# Altium PCB Final_Fantasy.PcbDoc (part 1 of 3)
Units mm, origin at the board's own origin, x right, y up, seen from the top; angles counter-clockwise.
Board outline 152.4 x 101.6 mm, 4 copper layers (Component Side, Ground Plane, Power Plane, Solder Side), stack 0.651 mm thick; 184 components, 159 nets, 718 pads, 120 vias.
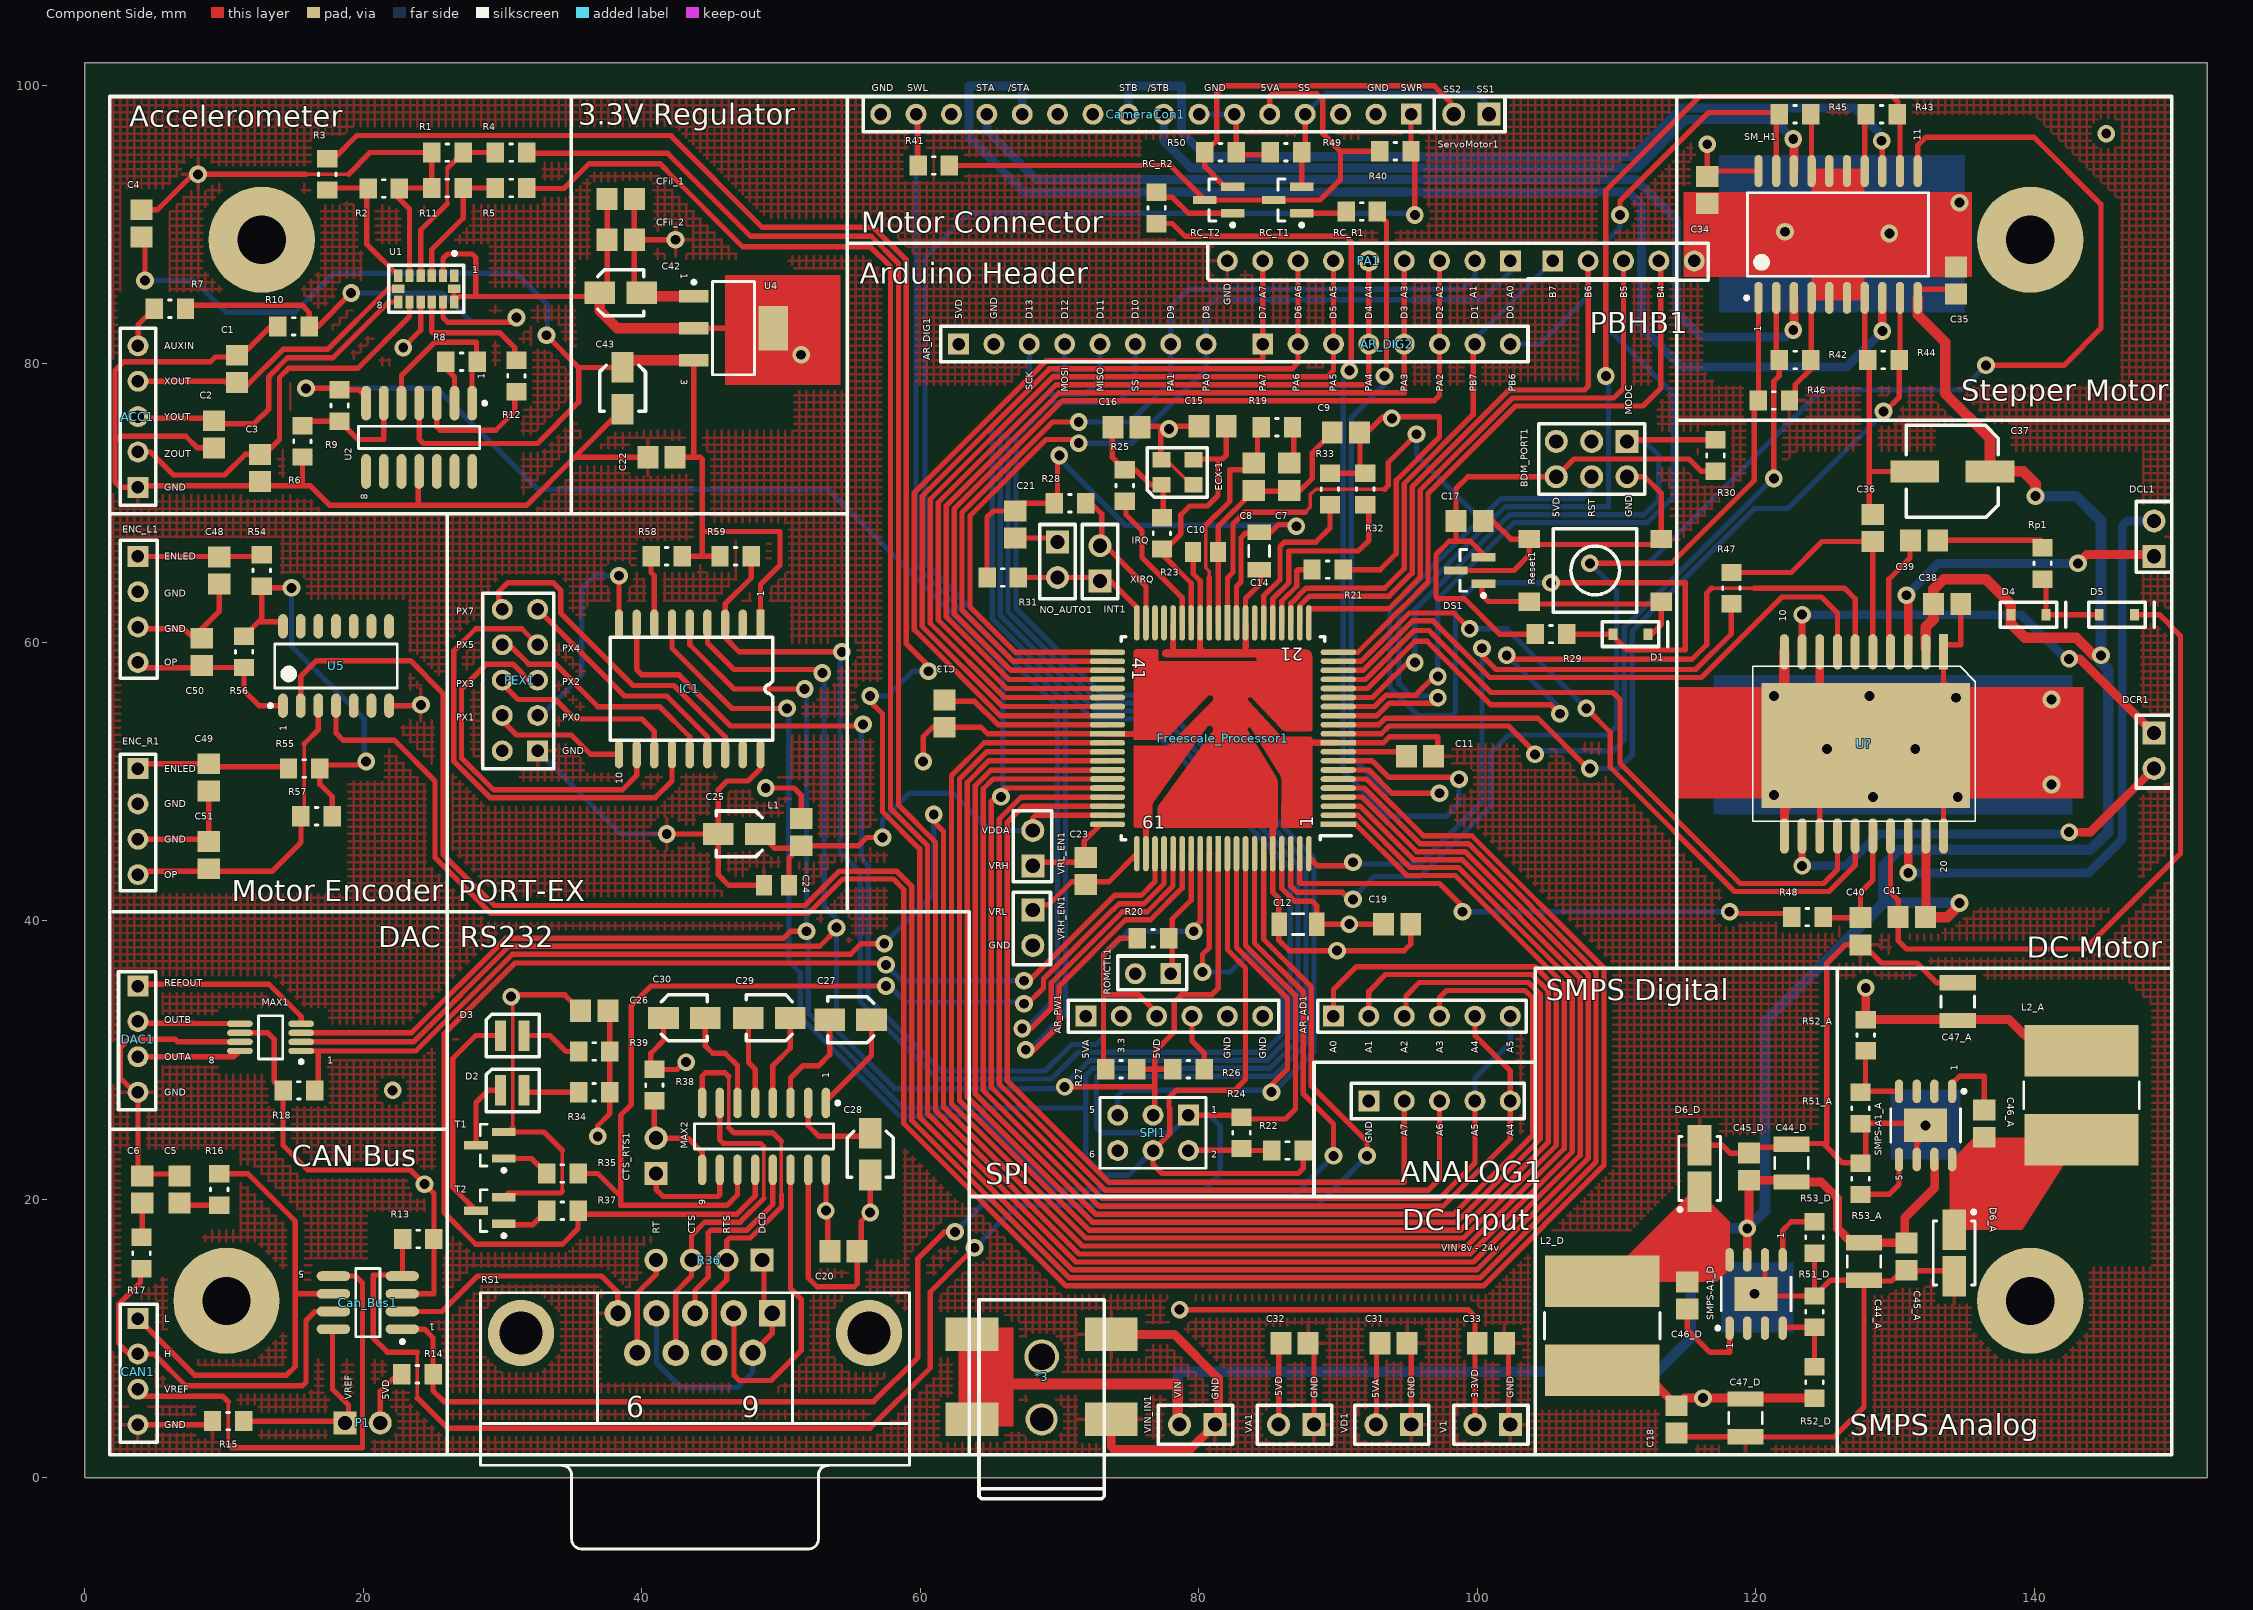
[diagram p0: Component Side view]
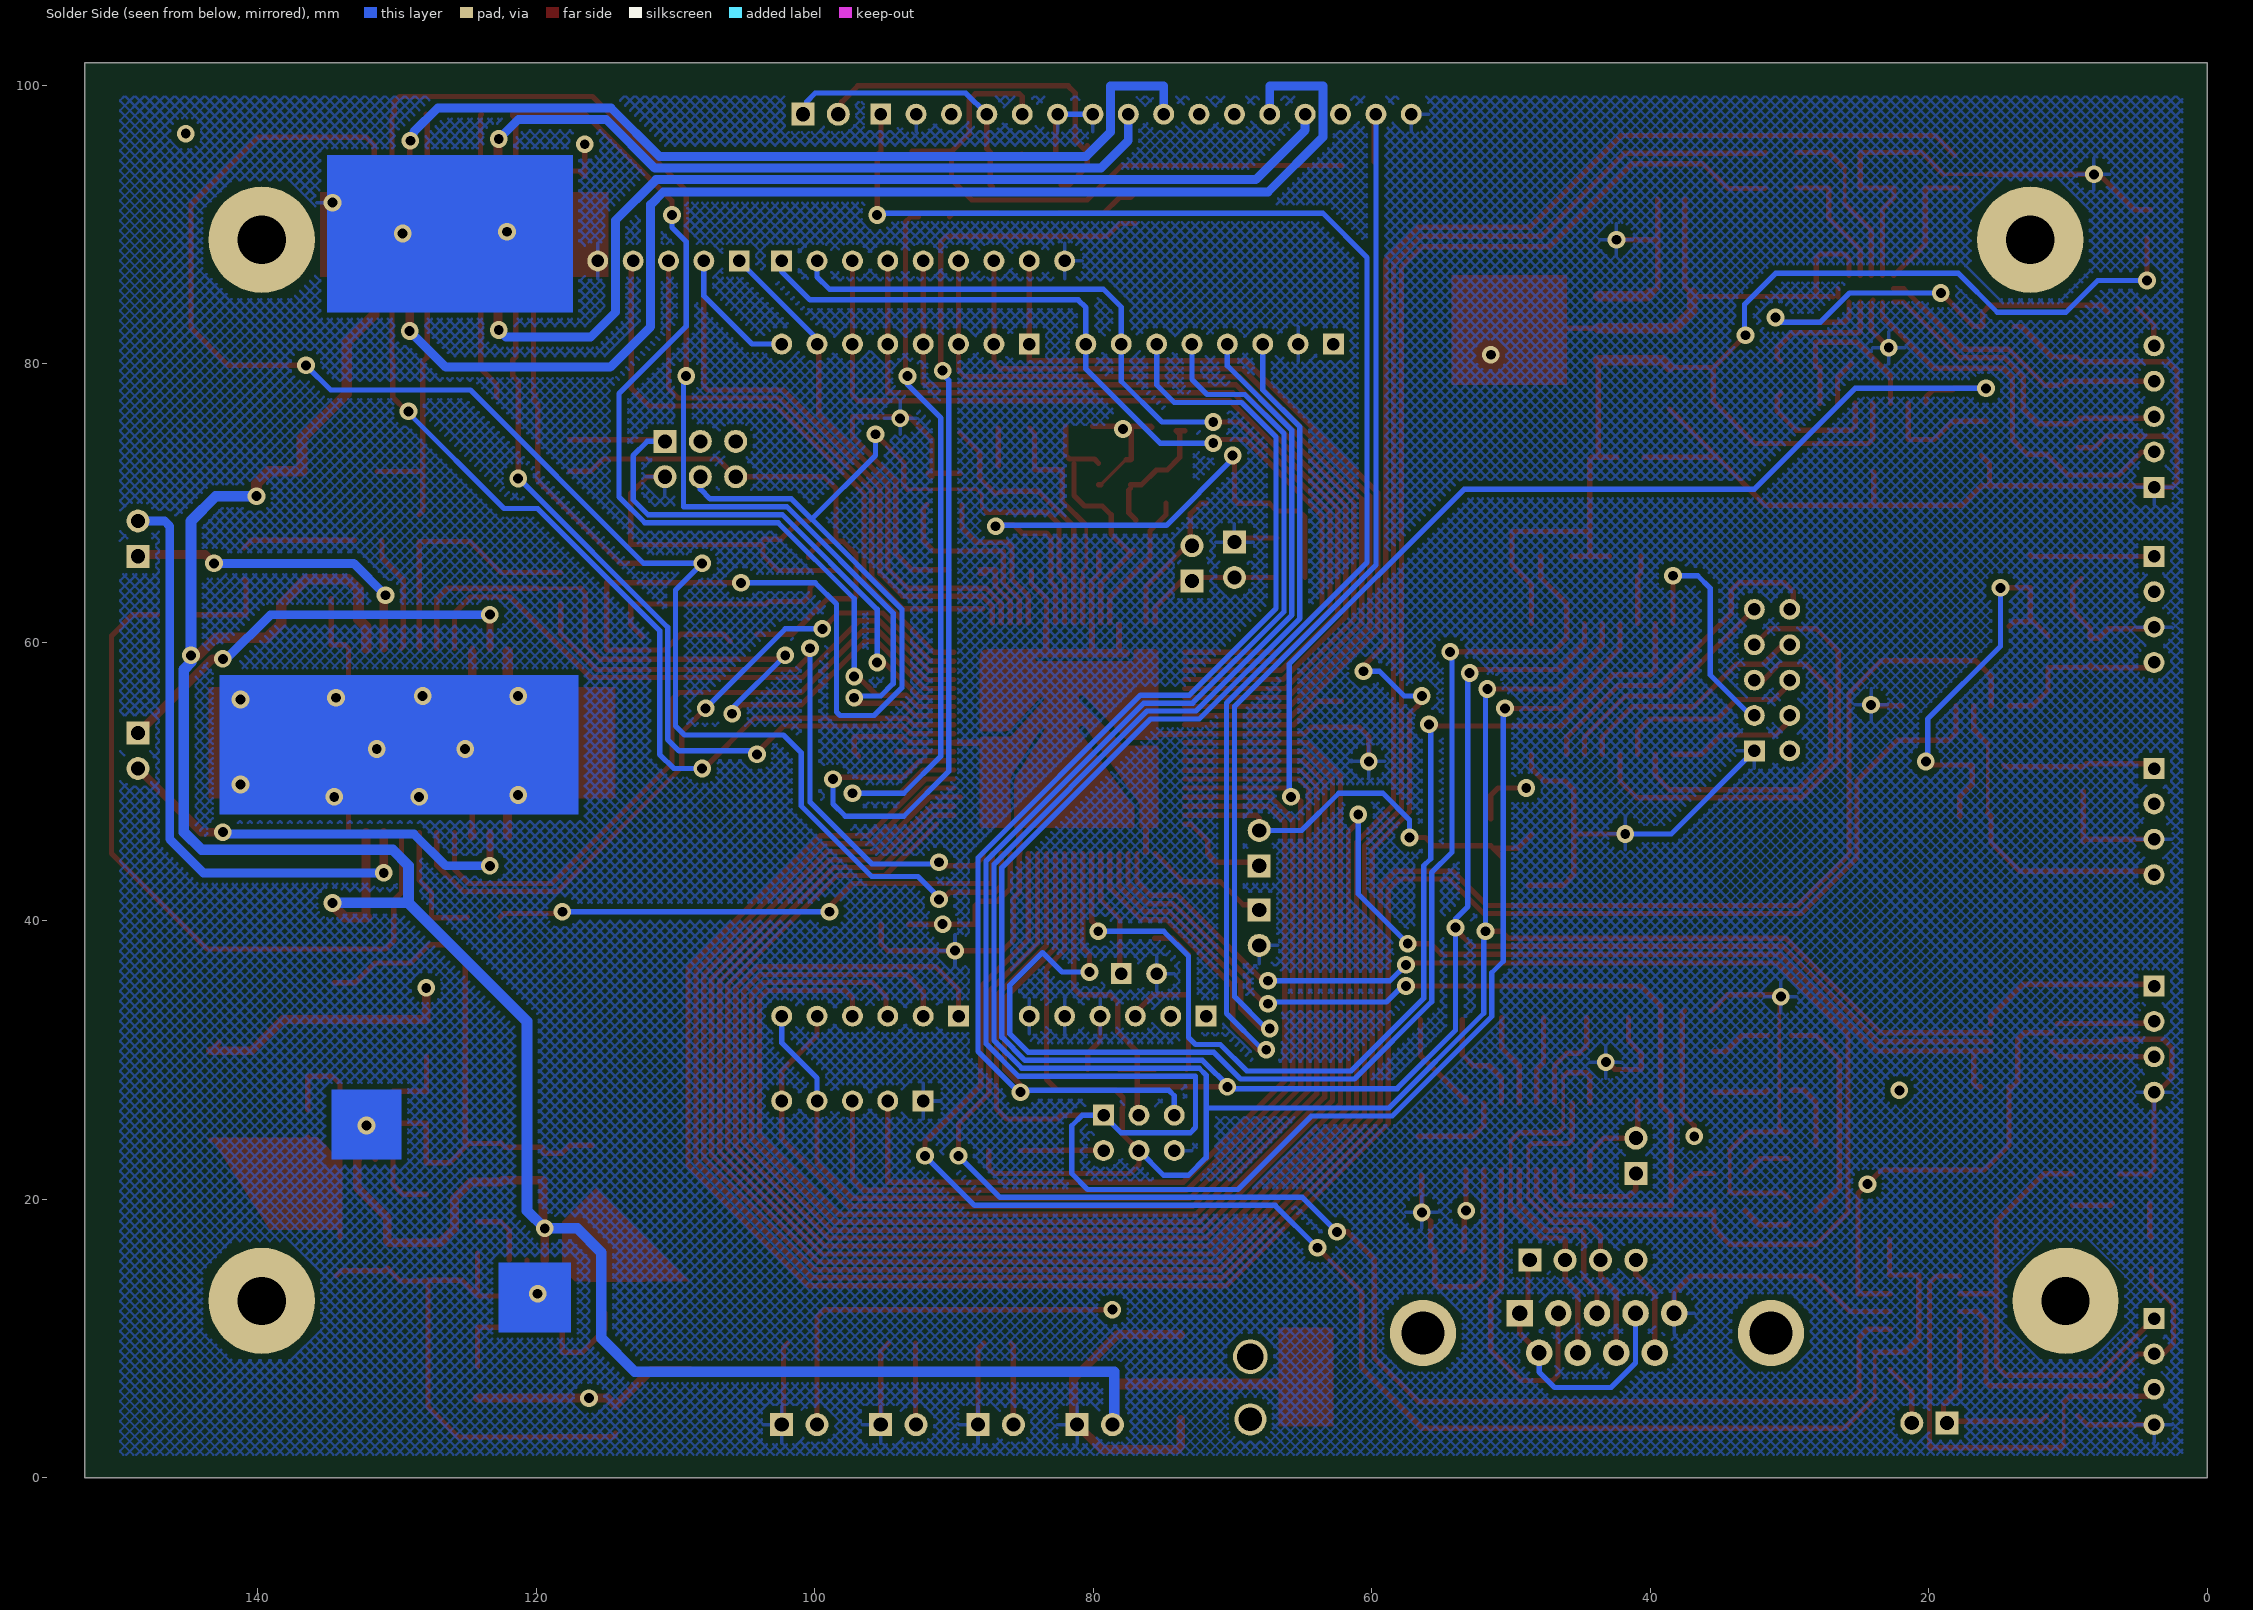
[diagram p1: Solder Side view, seen from below]
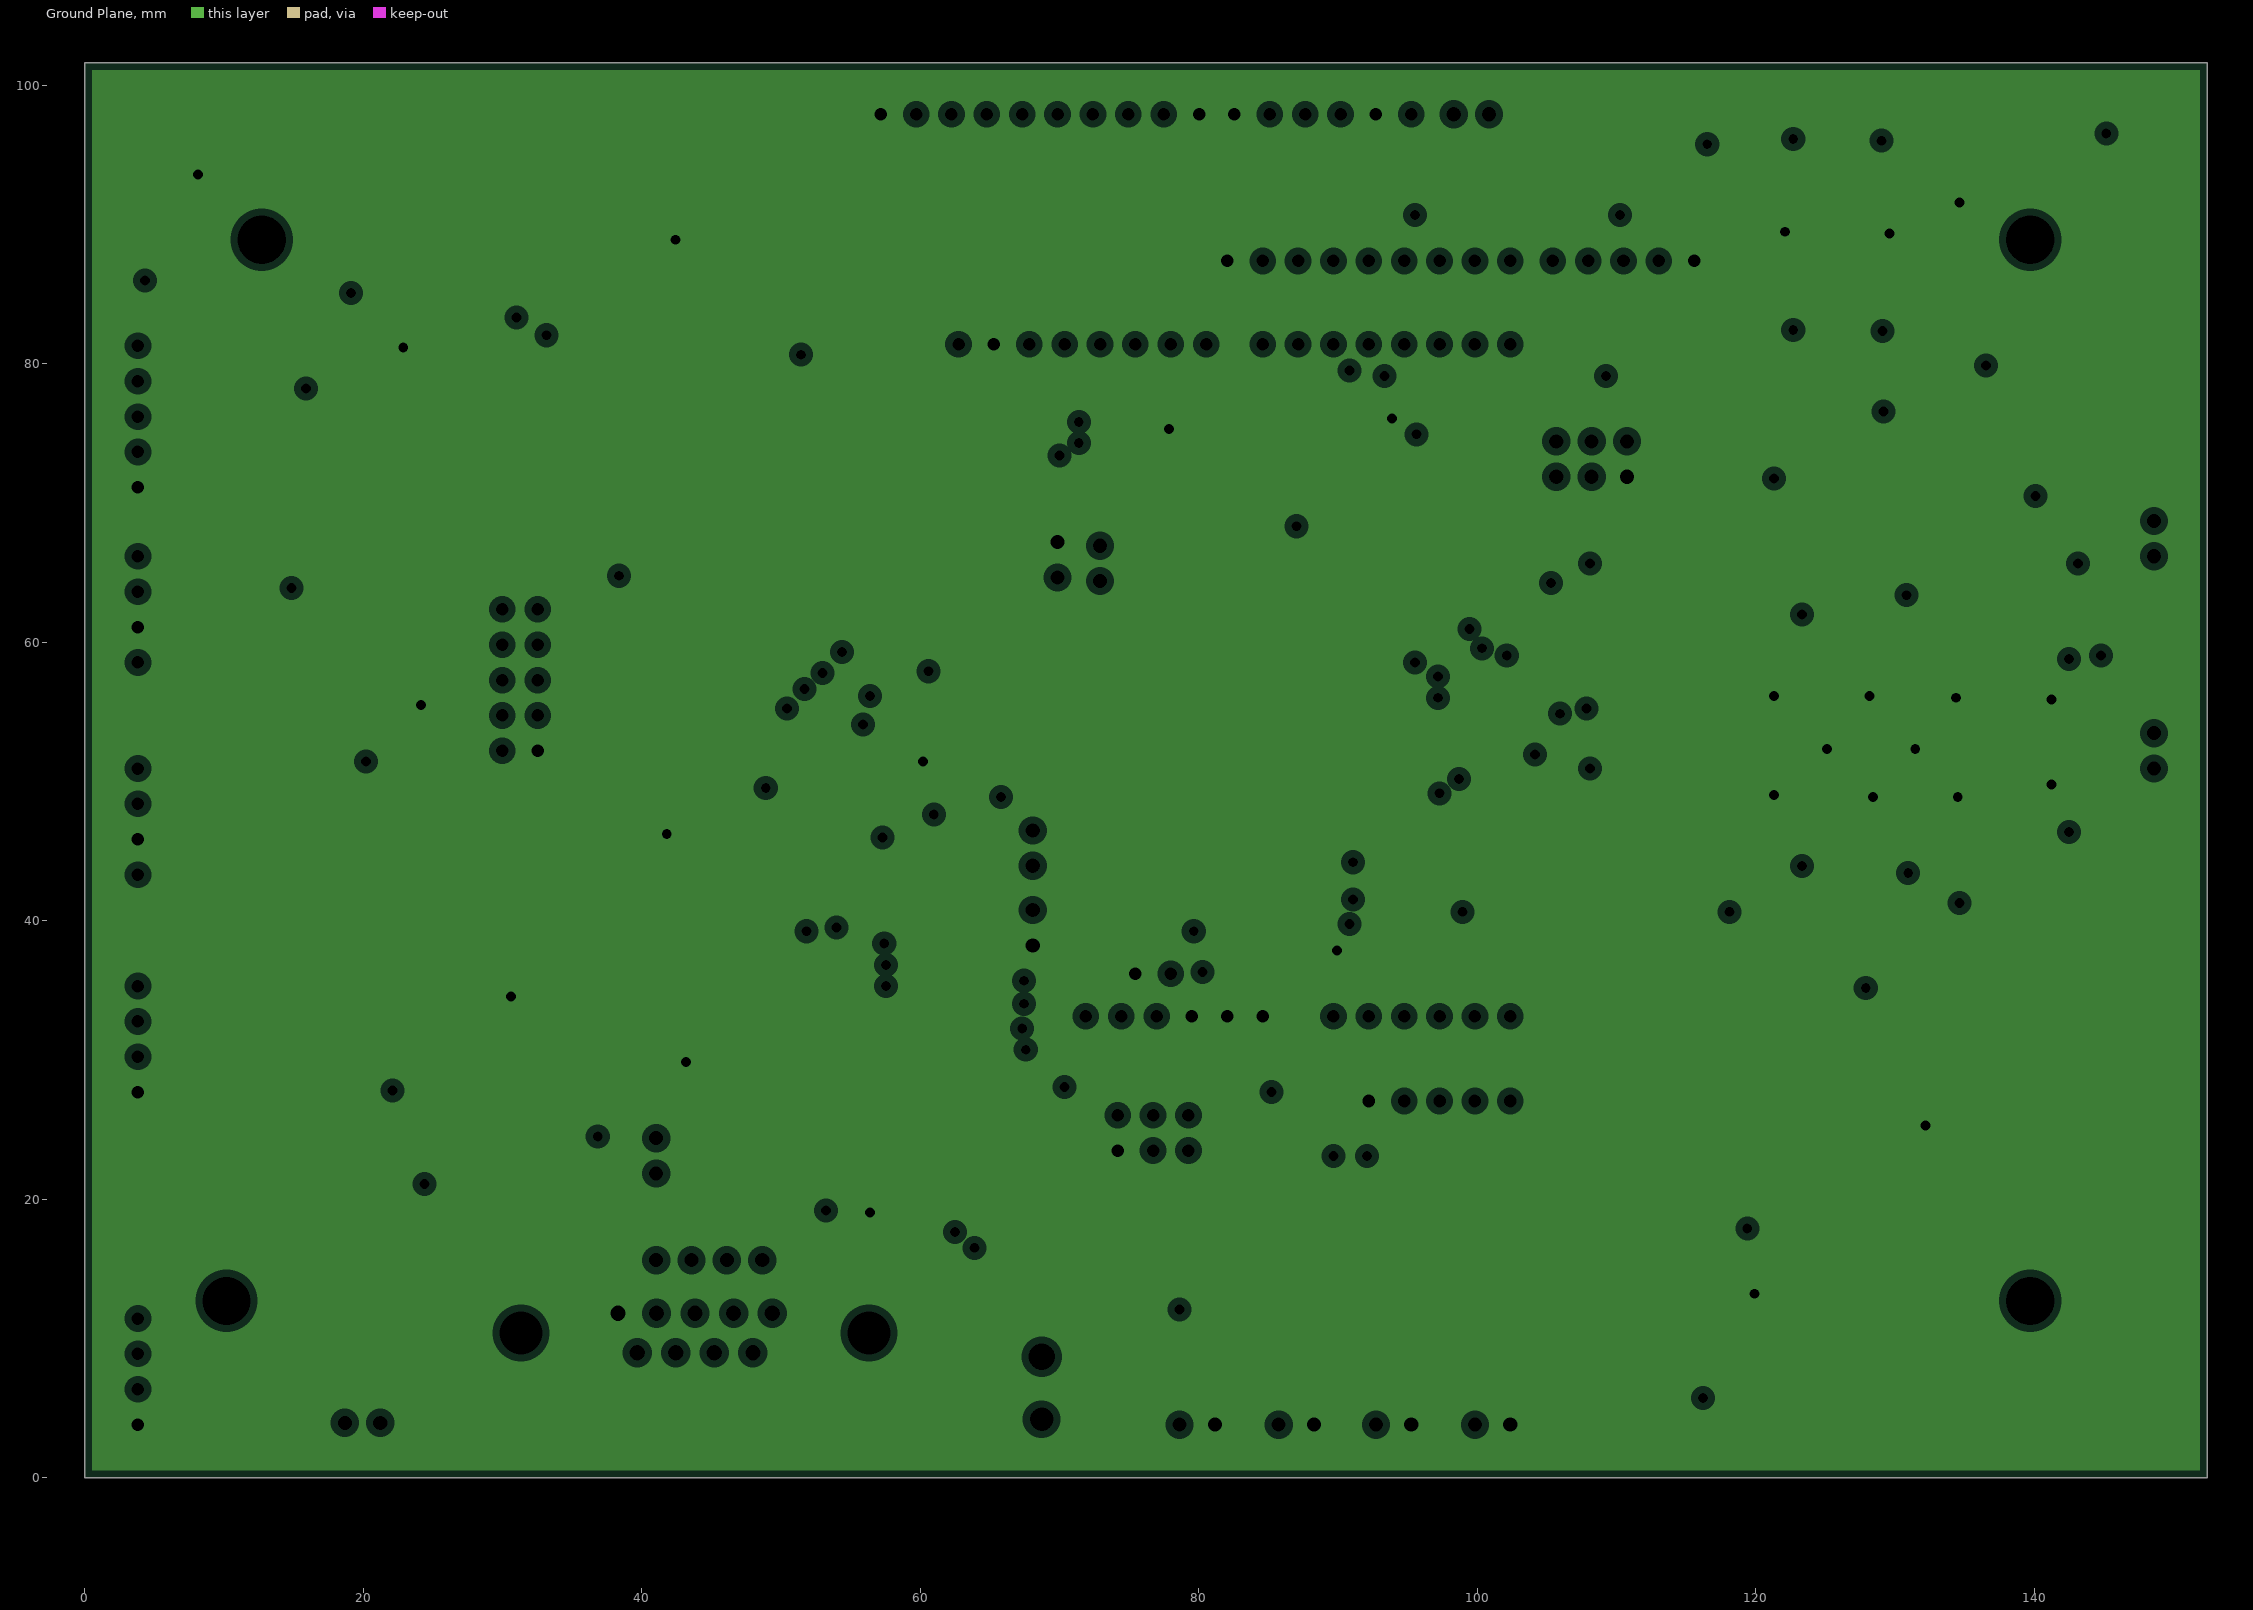
[diagram p2: Ground Plane, clearances drawn from the general rule]
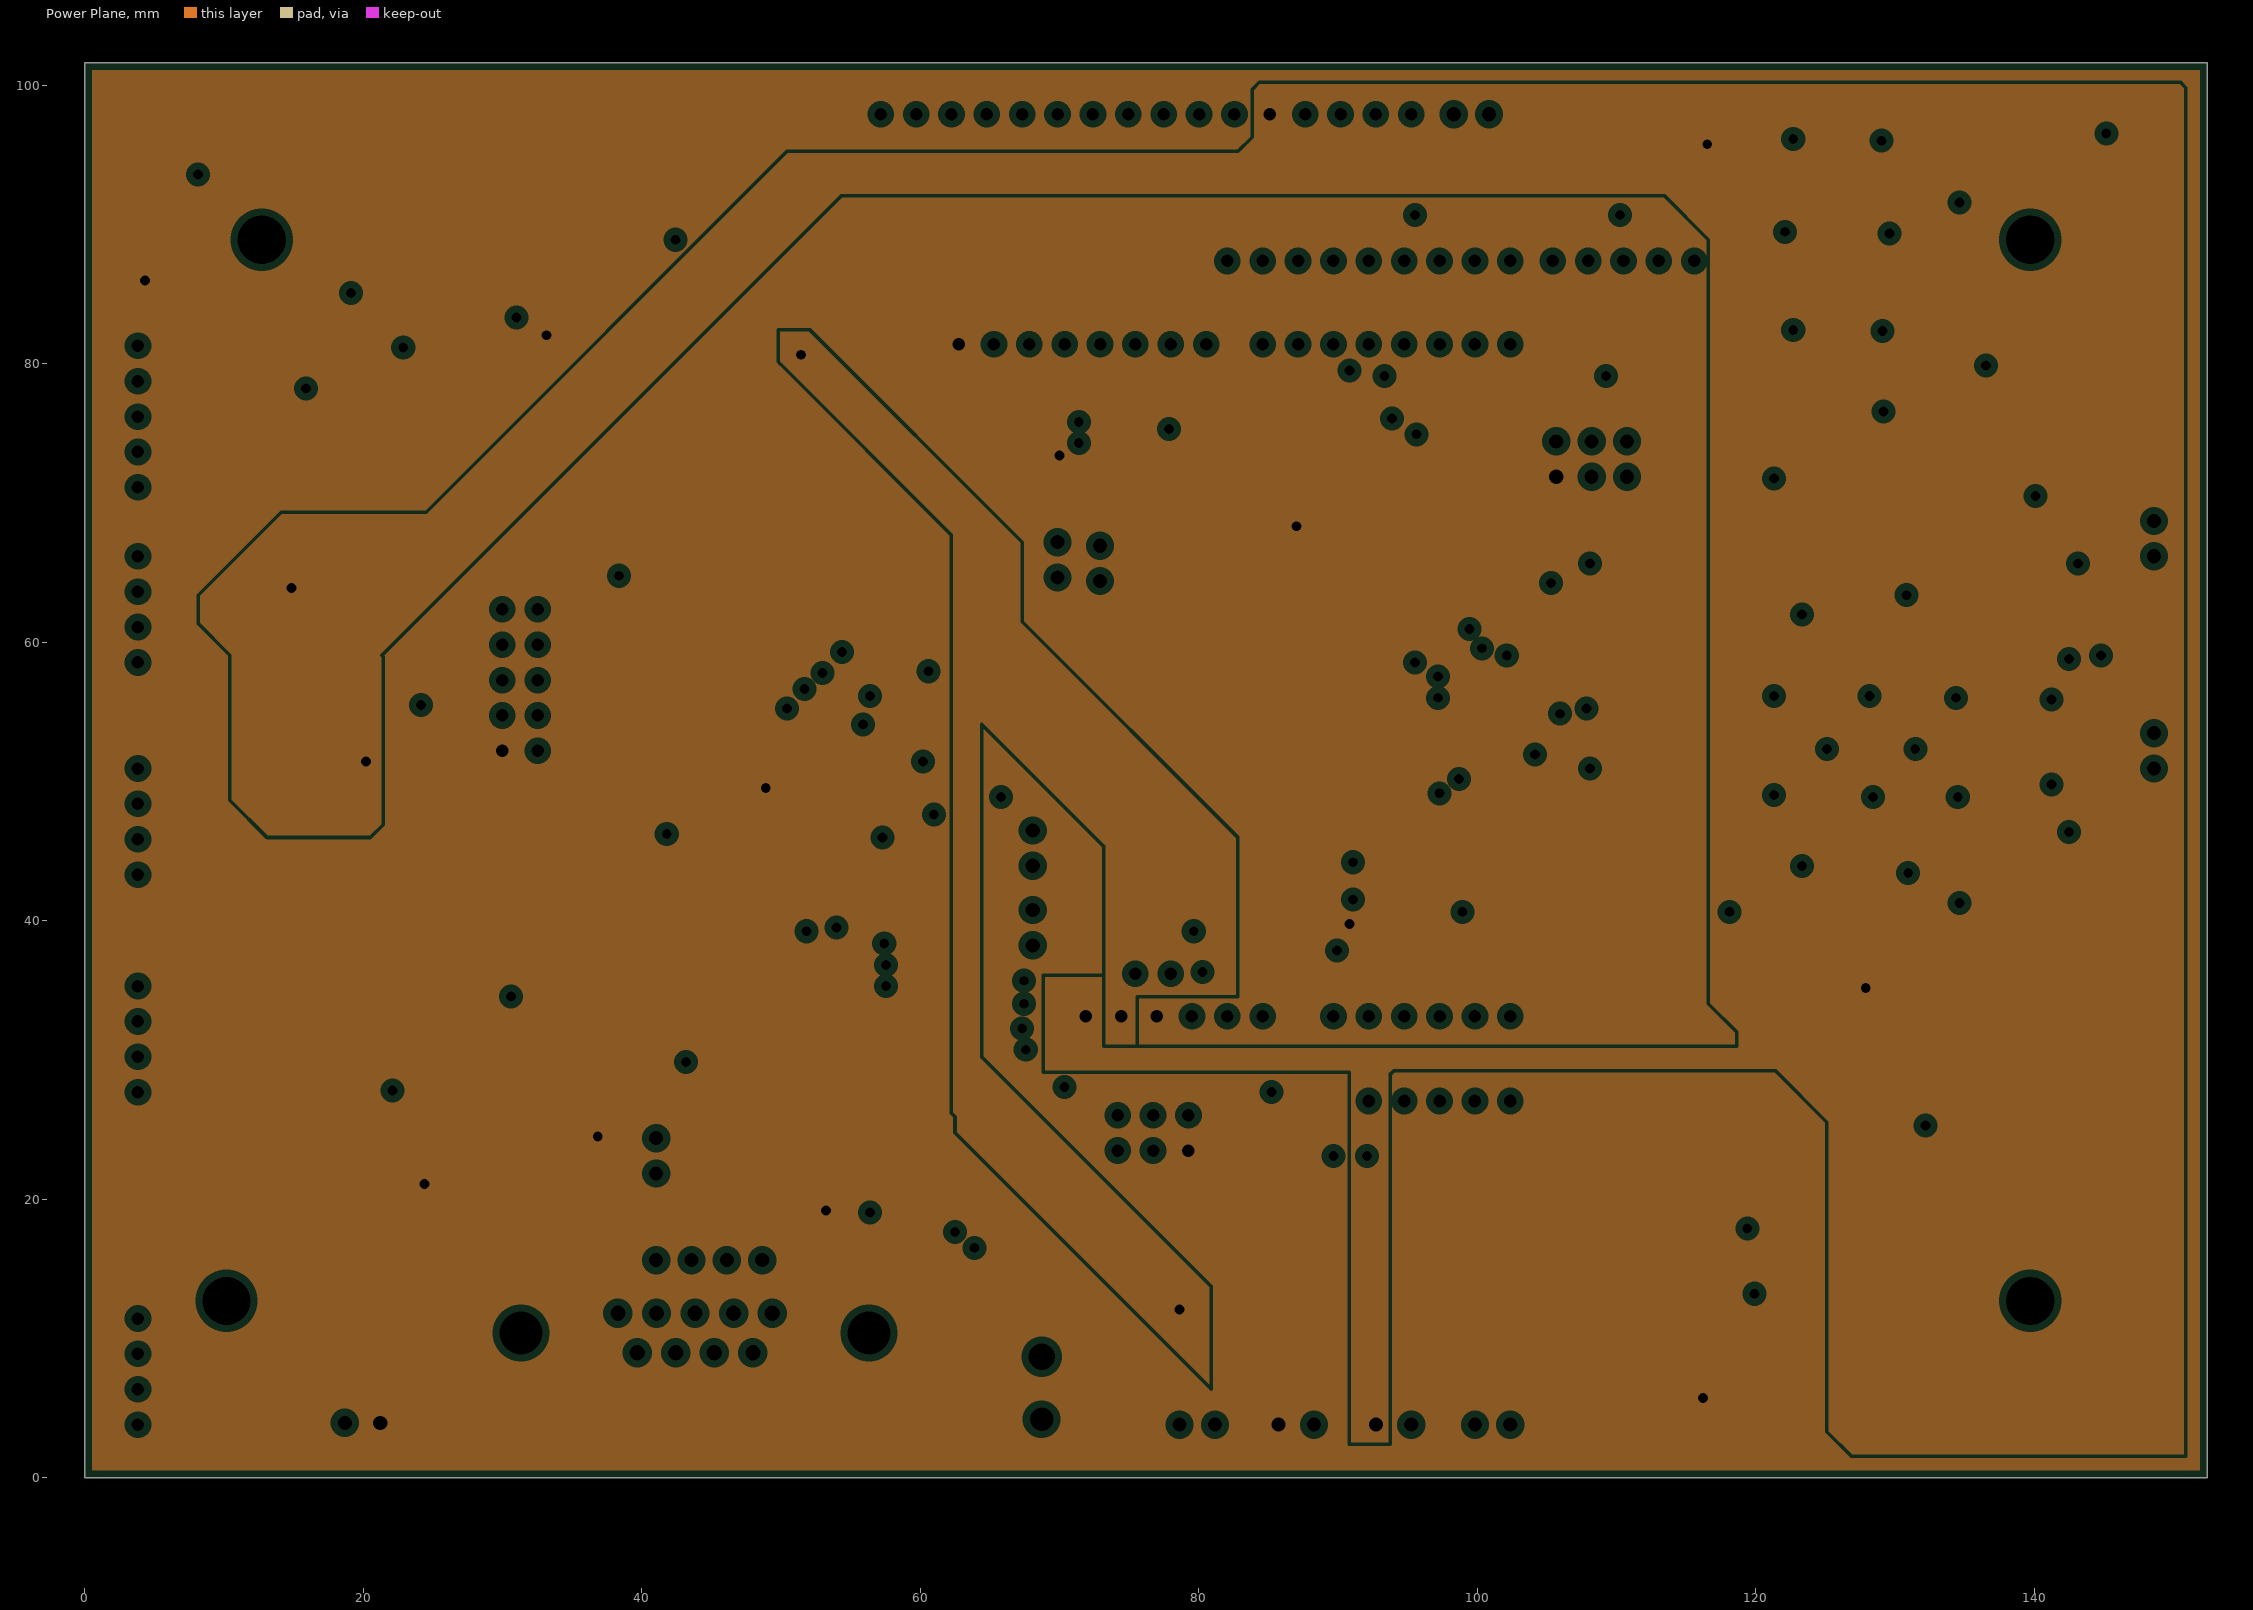
[diagram p3: Power Plane, clearances drawn from the general rule]

## Layer stack, top to bottom
Top Solder: solder mask 0.0102, Solder Resist, Dk 3.5
Component Side: signal copper 0.0356
Dielectric 1: prepreg 0.127, FR-4, Dk 4.2
Ground Plane: plane copper 0.036
Dielectric 3: core 0.254, Dk 4.2
Power Plane: plane copper 0.036
Dielectric 4: prepreg 0.127, Dk 4.2
Solder Side: signal copper 0.0356
Bottom Solder: solder mask 0.0102, Solder Resist, Dk 3.5

## Board outline
0,0 152.4,0 152.4,101.6 0,101.6

## Design rules (kind name [scope] priority, off if disabled: settings)
Clearance Clearance_1 [InNamedPolygon('Solder Side-No Net') Or  InNamedPolygon('Solder Side-No Net')] p1: gap=0.381
Clearance [All] p2: gap=0.191
MinimumSolderMaskSliver MinimumSolderMaskSliver_1 [All] p1: minsoldermaskwidth=0
MinimumSolderMaskSliver [All] p2: minsoldermaskwidth=0
PlaneClearance [All] p1: clearance=0.508
PlaneConnect [All] p1: planeconnectstyle=Relief reliefexpansion=0.508 reliefentries=4 reliefconductorwidth=0.254 reliefairgap=0.254
PolygonConnect [All] p1: connectstyle=Relief reliefconductorwidth=0.254 reliefentries=4 polygonreliefangle="90 Angle" airgapwidth=0.508
RoomDefinition MCP23S09 [InComponentClass('MCP23S09')] p1: confinementstyle=ConfineIn formatcopy=TRUE lockcomponents=FALSE outline 26.162,40.767 54.61,40.767 54.61,68.074 26.162,68.074
RoomDefinition DC_Motor [InComponentClass('DC_Motor')] p2: confinementstyle=ConfineIn formatcopy=TRUE lockcomponents=FALSE outline 150.622,76.2 97.409,76.2 97.409,35.306 150.622,35.306
RoomDefinition RC_PWM [InComponentClass('RC_PWM')] p3: confinementstyle=ConfineIn formatcopy=TRUE lockcomponents=FALSE outline 94.488,85.405 74.819,85.405 74.819,96.835 94.488,96.835
RoomDefinition Encoder [InComponentClass('Encoder')] p4: confinementstyle=ConfineIn formatcopy=TRUE lockcomponents=FALSE outline 2.159,40.767 25.908,40.767 25.908,68.834 2.159,68.834
RoomDefinition Stepper_Motor [InComponentClass('Stepper_Motor')] p5: confinementstyle=ConfineIn formatcopy=TRUE lockcomponents=FALSE outline 150.622,75.819 150.622,100.308 114.762,100.308 114.762,75.819
RoomDefinition A [InComponentClass('A')] p6: confinementstyle=ConfineIn formatcopy=TRUE lockcomponents=FALSE outline 124.46,36.577 124.46,1.778 149.86,1.778 149.86,36.577
RoomDefinition RS232 [InComponentClass('RS232')] p7: confinementstyle=ConfineIn formatcopy=TRUE lockcomponents=FALSE outline 63.5,-7.366 63.5,40.513 25.809,40.513 25.809,-7.366
RoomDefinition DAC [InComponentClass('DAC')] p8: confinementstyle=ConfineIn formatcopy=TRUE lockcomponents=FALSE outline 1.397,25.019 26.162,25.019 26.162,40.386 1.397,40.386
RoomDefinition D [InComponentClass('D')] p9: confinementstyle=ConfineIn formatcopy=TRUE lockcomponents=FALSE outline 127.102,36.449 103.378,36.449 103.378,1.887 127.102,1.887
RoomDefinition 3.3V_Reg [InComponentClass('3.3V_Reg')] p10: confinementstyle=ConfineIn formatcopy=TRUE lockcomponents=FALSE outline 32.131,75.057 57.785,75.057 57.785,87.63 32.131,87.63
RoutingLayers [All] p1: top layer_v5=FALSE bottom layer_v5=TRUE
RoutingVias [All] p1: holewidth=0.711 width=1.27 viastyle="Through Hole" minholewidth=0.711 minwidth=1.27 maxholewidth=0.711 maxwidth=1.27
SilkToSilkClearance SilkToSilkClearance_1 [All] p1: silktosilkclearance=0.051
SilkToSilkClearance [All] p2: silktosilkclearance=0.051
SilkToSolderMaskClearance [IsPad] p1: minsilkscreentomaskgap=0.051 clearancetoexposedcopper=TRUE
SolderMaskExpansion [All] p1: expansion=0.102
Width [All] p1: maxlimit=1.27 minlimit=0.127 preferedwidth=0.254 minimp=50.000000 maximp=50.000000 favimp=50.000000
24 further rules are at their usual default settings.
